# Altium PCB Cubli.PcbDoc (part 5 of 5)
Units mm, origin at the board's own origin, x right, y up, seen from the top; angles counter-clockwise.
Board outline 75.4 x 45.4 mm, 8 copper layers (Top Layer, GND 1, Signal 1, PWR 1, GND 2, Signal 2, PWR 2, Bottom Layer), stack 1.58 mm thick; 473 components, 286 nets, 1760 pads, 916 vias.
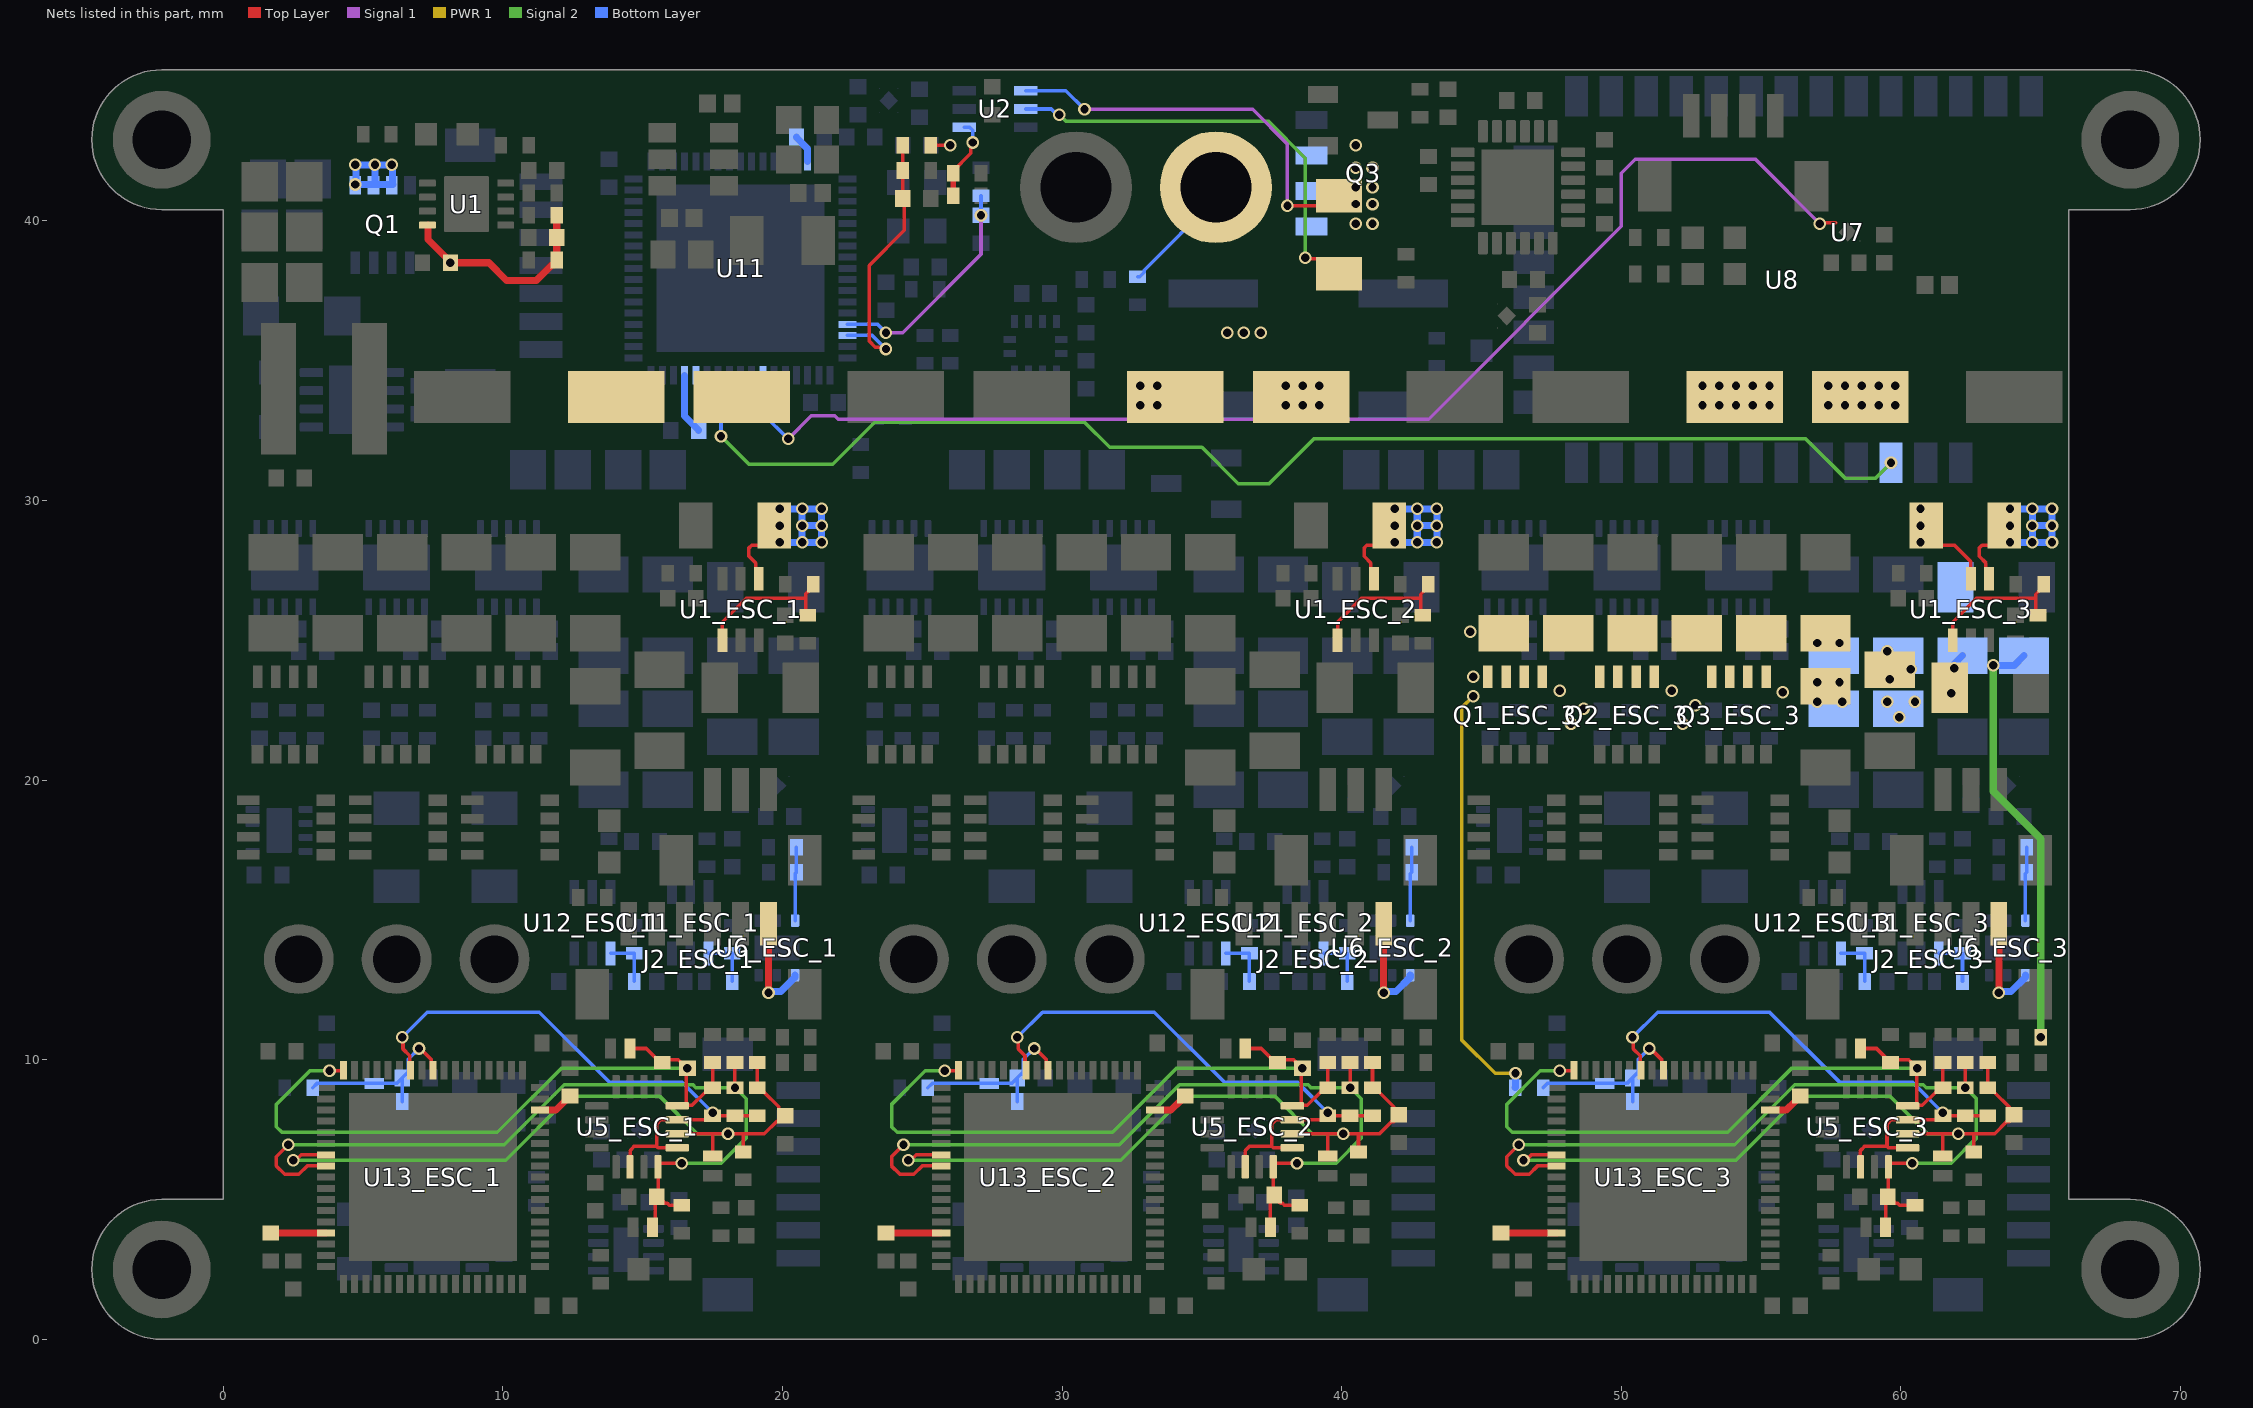
[diagram p11: the nets of this part, all layers, seen from the top]

## Via types
v1: diameter 0.45, hole 0.3, Top Layer to Bottom Layer, tented both sides, 853 vias
v2: diameter 0.4, hole 0.3, Top Layer to Bottom Layer, tented both sides, 63 vias

## Nets (pads, with @x,y where several pads share a name; then routed paths per layer and width w, separated by ;. In a path a pad name is that pad's centre, name@x,y a point inside that pad or via, vN(x,y) a via of type N, cw(c..) or ccw(c..) an arc to the next point about the centre after c; other vN are vias at no path point) (continued)
V_ESC_3: C3_ESC_3.2 C4_ESC_3.2 C5_ESC_3.2 C6_ESC_3.2 C7_ESC_3.2 C8_ESC_3.2 C9_ESC_3.2 C10_ESC_3.2 C13_ESC_3.2 C14_ESC_3.2 C15_ESC_3.2 C16_ESC_3.2 C17_ESC_3.2 C18_ESC_3.2 C19_ESC_3.2 C20_ESC_3.2 Q1_ESC_3.5 Q1_ESC_3.6 Q1_ESC_3.7 Q1_ESC_3.8 Q2_ESC_3.5 Q2_ESC_3.6 Q2_ESC_3.7 Q2_ESC_3.8 Q3_ESC_3.5 Q3_ESC_3.6 Q3_ESC_3.7 Q3_ESC_3.8 R1_ESC_3.2 R5_ESC_3.2 R37_ESC_3.2 U1_ESC_3.5 | length 34.1
  Top Layer w0.127: R1_ESC_3.2@60.9,29.1 60.9,28.937 61.436,28.4 61.915,28.4 62.5,27.815 U1_ESC_3.5@62.5,27.2
  Signal 2 w0.254: v1(63.3,24.1) 63.3,19.6 65,17.9 v1(65,10.8)
  PWR 1 w0.127: v1(44.7,23) 44.3,22.6 44.3,10.7 45.486,9.514 v1(46.215,9.514)
  Bottom Layer w0.254: R5_ESC_3.2@46.2,9 46.208,9.008 46.208,9.507 v1(46.215,9.514) ; v1(61.9,24) 61.9,24.15 C7_ESC_3.2@62.2,24.45 ; v1(63.3,24.1) 64.05,24.1 C10_ESC_3.2@64.4,24.45
  other v1: 48.2,22.016 52.2,22.016 59.944,22.244 48.648,22.55 52.648,22.671 57,22.8 57.9,22.8 59.515,22.8 60.5,22.8 61.8,23.1 55.765,23.143 47.8,23.2 51.8,23.2 57,23.5 57.8,23.5 59.6,23.6 44.7,23.7 60.356,23.956 59.515,24.6 57,24.9 57.8,24.9 44.6,25.3 60.7,28.5 60.7,29.1 60.7,29.7
V_ISNS_REF_1: R29_ESC_1.2 R31_ESC_1.1 U11_ESC_1.1 | length 1.8
  Bottom Layer w0.127: U11_ESC_1.1@17.35,13.8 R31_ESC_1.1@18.2,13.8 R29_ESC_1.2@18.2,12.8
V_ISNS_REF_2: R29_ESC_2.2 R31_ESC_2.1 U11_ESC_2.1 | length 1.8
  Bottom Layer w0.127: U11_ESC_2.1@39.35,13.8 R31_ESC_2.1@40.2,13.8 R29_ESC_2.2@40.2,12.8
V_ISNS_REF_3: R29_ESC_3.2 R31_ESC_3.1 U11_ESC_3.1 | length 1.8
  Bottom Layer w0.127: U11_ESC_3.1@61.35,13.8 R31_ESC_3.1@62.2,13.8 R29_ESC_3.2@62.2,12.8
VBAT: C1.2 C2.1 C32.1 C33.1 C34.1 C35.1 C36.1 C37.1 Q1.1 Q1.2 Q1.3 R1.1 R1_ESC_1.1 R1_ESC_2.1 R1_ESC_3.1 R2.2 R3.2 R23.1 U1.8 U1_ESC_1.4 U1_ESC_2.4 U1_ESC_3.4 U2.5 | length 53.2
  Top Layer w0.127: U1_ESC_1.4@19.15,27.2 19.039,27.311 19.039,27.761 18.8,28 18.8,28.3 18.9,28.4 19.163,28.4 19.7,28.937 R1_ESC_1.1@19.7,29.1 ; R23.1@25.3,42.7 v1(26,42.7) ; v1(38.7,38.684) 38.748,38.637 39.363,38.637 R2.2@39.9,38.1 ; U1_ESC_2.4@41.15,27.2 41.038,27.311 41.038,27.761 40.8,28 40.8,28.3 40.9,28.4 41.163,28.4 41.7,28.937 R1_ESC_2.1@41.7,29.1 ; U1_ESC_3.4@63.15,27.2 63.038,27.311 63.038,27.761 62.8,28 62.8,28.3 62.9,28.4 63.163,28.4 63.7,28.937 R1_ESC_3.1@63.7,29.1
  Top Layer w0.254: U1.8@7.323,39.848 7.323,39.327 8.125,38.525 v1(8.125,38.5) 9.5,38.5 10.132,37.868 11.193,37.868 11.752,38.427 11.827,38.427 11.925,38.525 C1.2@11.925,39.4 R3.2@11.925,40.2
  Signal 2 w0.127: v1(29.9,43.8) 29.905,43.8 30.136,43.569 37.369,43.569 38.7,42.238 v1(38.7,38.684)
  Bottom Layer w0.127: U2.5@28.7,44 29.613,44 29.813,43.8 v1(29.9,43.8)
  Bottom Layer w0.254: v1(4.725,41.3) Q1.2@5.425,41.3 ; Q1.1@4.75,41.325 4.75,41.975 v1(4.725,42) v1(5.425,42) ; 20.173,28.5 v1(20.7,28.5) ; 20.173,29.7 v1(20.7,29.7) ; 42.173,28.5 v1(42.7,28.5) ; 42.173,29.7 v1(42.7,29.7) ; 64.173,28.5 v1(64.7,28.5) ; 64.173,29.7 v1(64.7,29.7) ; Q1.2@5.425,41.3 v1(5.425,42) ; Q1.2@5.425,41.3 6.075,41.3 6.05,41.325 6.05,41.975 v1(6.025,42) v1(5.425,42) ; v1(20.7,28.5) v1(21.4,28.5) v1(21.4,29.1) ; v1(20.7,28.5) v1(20.7,29.1) ; v1(20.7,29.1) v1(21.4,29.1) ; v1(20.7,29.1) v1(20.7,29.7) ; v1(20.7,29.7) v1(21.4,29.7) v1(21.4,29.1) ; v1(42.7,28.5) v1(42.7,29.1) ; v1(42.7,28.5) v1(43.4,28.5) v1(43.4,29.1) ; v1(42.7,29.1) v1(43.4,29.1) ; v1(42.7,29.1) v1(42.7,29.7) ; v1(42.7,29.7) v1(43.4,29.7) v1(43.4,29.1) ; v1(64.7,28.5) v1(64.7,29.1) ; v1(64.7,28.5) v1(65.4,28.5) v1(65.4,29.1) ; v1(64.7,29.1) v1(65.4,29.1) ; v1(64.7,29.1) v1(64.7,29.7) ; v1(64.7,29.7) v1(65.4,29.7) v1(65.4,29.1)
  other v1: 19.9,28.5 41.9,28.5 63.9,28.5 19.9,29.1 41.9,29.1 63.9,29.1 19.9,29.7 41.9,29.7 63.9,29.7 32.8,33.4 33.4,33.4 38,33.4 38.6,33.4 39.2,33.4 52.9,33.4 53.5,33.4 54.1,33.4 54.7,33.4 55.3,33.4 57.4,33.4 58,33.4 58.6,33.4 59.2,33.4 59.8,33.4 32.8,34.1 33.4,34.1 38,34.1 38.6,34.1 39.2,34.1 52.9,34.1 53.5,34.1 54.1,34.1 54.7,34.1 55.3,34.1 57.4,34.1 58,34.1 58.6,34.1 59.2,34.1 59.8,34.1 35.9,36 36.5,36 37.1,36
VBAT_ISNS: C10.1 R6.1 U11.14 | length 8.2
  Signal 1 w0.127: v1(23.7,36) 24.3,36 27.1,38.8 v1(27.1,40.2)
  Bottom Layer w0.127: U11.14@22.325,36.3 23.4,36.3 v1(23.7,36) ; v1(27.1,40.2) R6.1@27.1,40.9
VBAT_ISNS_REF: R7.2 R8.1 U2.1 | length 3
  Top Layer w0.127: R7.2@26.1,41.7 26.1,41.775 26.738,42.413 26.738,42.738 v1(26.8,42.8)
  Top Layer w0.2: R8.1@26.1,40.9 R7.2@26.1,41.7
  Bottom Layer w0.127: U2.1@26.5,43.35 26.688,43.35 26.8,43.238 v1(26.8,42.8)
VBAT_ISNS_REF_1: R3_ESC_1.2 R4_ESC_1.1 U1_ESC_1.1 | length 5.2
  Top Layer w0.127: U1_ESC_1.1@17.85,25 17.85,25.65 18.7,26.5 20.826,26.5 ; R3_ESC_1.2@20.9,25.9 20.826,25.974 20.826,26.5 ; R4_ESC_1.1@21.1,27 21.1,26.925 20.826,26.651 20.826,26.5
VBAT_ISNS_REF_2: R3_ESC_2.2 R4_ESC_2.1 U1_ESC_2.1 | length 5.2
  Top Layer w0.127: U1_ESC_2.1@39.85,25 39.85,25.65 40.7,26.5 42.826,26.5 ; R3_ESC_2.2@42.9,25.9 42.826,25.974 42.826,26.5 ; R4_ESC_2.1@43.1,27 43.1,26.925 42.826,26.651 42.826,26.5
VBAT_ISNS_REF_3: R3_ESC_3.2 R4_ESC_3.1 U1_ESC_3.1 | length 5.2
  Top Layer w0.127: U1_ESC_3.1@61.85,25 61.85,25.65 62.7,26.5 64.826,26.5 ; R3_ESC_3.2@64.9,25.9 64.826,25.974 64.826,26.5 ; R4_ESC_3.1@65.1,27 65.1,26.925 64.826,26.651 64.826,26.5
VBAT_R: J_VIN1.1 Q3.1 Q3.2 Q3.3 R16.1 | length 4.4
  Bottom Layer w0.127: R16.1@32.7,38 32.775,38 32.937,38.162 32.937,38.236 35.5,40.8 J_VIN1.1@35.5,41.2
VBAT_RP: Q3.5 R2.1 U2.4 | length 14.3
  Top Layer w0.127: v1(38.058,40.536) 39.536,40.536 R2.1@39.9,40.9
  Signal 1 w0.127: v1(30.8,43.984) 36.816,43.984 38.058,42.742 v1(38.058,40.536)
  Bottom Layer w0.127: U2.4@28.7,44.65 30.134,44.65 v1(30.8,43.984)
  other v1: 40.5,39.9 41.1,39.9 40.5,40.6 41.1,40.6 40.5,41.2 41.1,41.2 40.5,41.9 41.1,41.9 40.5,42.7
VCAP1: C44.2 U11.31 | length 2.2
  Bottom Layer w0.254: U11.31@16.5,34.475 16.5,33.025 17,32.525 C44.2@17,32.5
VCAP1_1: C49_ESC_1.2 U13_ESC_1.31 | length 2
  Top Layer w0.254: C49_ESC_1.2@1.7,3.8 U13_ESC_1.31@3.675,3.8
VCAP1_2: C49_ESC_2.2 U13_ESC_2.31 | length 2
  Top Layer w0.254: C49_ESC_2.2@23.7,3.8 U13_ESC_2.31@25.675,3.8
VCAP1_3: C49_ESC_3.2 U13_ESC_3.31 | length 2
  Top Layer w0.254: C49_ESC_3.2@45.7,3.8 U13_ESC_3.31@47.675,3.8
VCAP2: C45.2 U11.66 | length 1
  Bottom Layer w0.254: C45.2@20.5,43 20.5,42.975 20.898,42.577 20.898,42.127 U11.66@20.9,42.125
VCAP2_1: C50_ESC_1.2 U13_ESC_1.66 | length 1.3
  Top Layer w0.254: U13_ESC_1.66@11.325,8.2 11.9,8.2 12.227,8.527 12.227,8.552 12.375,8.7 C50_ESC_1.2@12.4,8.7
VCAP2_2: C50_ESC_2.2 U13_ESC_2.66 | length 1.3
  Top Layer w0.254: U13_ESC_2.66@33.325,8.2 33.9,8.2 34.227,8.527 34.227,8.552 34.375,8.7 C50_ESC_2.2@34.4,8.7
VCAP2_3: C50_ESC_3.2 U13_ESC_3.66 | length 1.3
  Top Layer w0.254: U13_ESC_3.66@55.325,8.2 55.9,8.2 56.227,8.527 56.227,8.552 56.375,8.7 C50_ESC_3.2@56.4,8.7
VCC_ENC_1: J2_ESC_1.1 U6_ESC_1.1 | length 4.3
  Top Layer w0.127: J2_ESC_1.1@19.5,14.863 J2_ESC_1.1@19.5,15.4
  Top Layer w0.254: v1(19.5,12.4) J2_ESC_1.1@19.5,14.863
  Bottom Layer w0.254: v1(19.5,12.4) 19.538,12.438 19.938,12.438 20.45,12.95 U6_ESC_1.1@20.45,13.025
VCC_ENC_2: J2_ESC_2.1 U6_ESC_2.1 | length 4.3
  Top Layer w0.127: J2_ESC_2.1@41.5,14.863 J2_ESC_2.1@41.5,15.4
  Top Layer w0.254: v1(41.5,12.4) J2_ESC_2.1@41.5,14.863
  Bottom Layer w0.254: v1(41.5,12.4) 41.537,12.438 41.938,12.438 42.45,12.95 U6_ESC_2.1@42.45,13.025
VCC_ENC_3: J2_ESC_3.1 U6_ESC_3.1 | length 4.3
  Top Layer w0.127: J2_ESC_3.1@63.5,14.863 J2_ESC_3.1@63.5,15.4
  Top Layer w0.254: v1(63.5,12.4) J2_ESC_3.1@63.5,14.863
  Bottom Layer w0.254: v1(63.5,12.4) 63.537,12.438 63.937,12.438 64.45,12.95 U6_ESC_3.1@64.45,13.025
VCC_ENC_R_1: R7_ESC_1.1 R8_ESC_1.1 U6_ESC_1.6 | length 2.6
  Bottom Layer w0.127: U6_ESC_1.6@20.45,14.975 20.45,16.65 R7_ESC_1.1@20.5,16.7 R8_ESC_1.1@20.5,17.6
VCC_ENC_R_2: R7_ESC_2.1 R8_ESC_2.1 U6_ESC_2.6 | length 2.6
  Bottom Layer w0.127: U6_ESC_2.6@42.45,14.975 42.45,16.65 R7_ESC_2.1@42.5,16.7 R8_ESC_2.1@42.5,17.6
VCC_ENC_R_3: R7_ESC_3.1 R8_ESC_3.1 U6_ESC_3.6 | length 2.6
  Bottom Layer w0.127: U6_ESC_3.6@64.45,14.975 64.45,16.65 R7_ESC_3.1@64.5,16.7 R8_ESC_3.1@64.5,17.6
VSNS_ESC_1: C23_ESC_1.2 D1_ESC_1.2 R5_ESC_1.1 R6_ESC_1.1 U13_ESC_1.9 | length 6.5
  Top Layer w0.127: v1(7,10.4) 7.044,10.4 7.438,10.006 7.438,9.687 U13_ESC_1.9@7.5,9.625
  Bottom Layer w0.127: R5_ESC_1.1@3.2,9 3.35,9.15 D1_ESC_1.2@5.4,9.15 6.2,9.15 C23_ESC_1.2@6.4,9.35 ; R6_ESC_1.1@6.4,8.5 C23_ESC_1.2@6.4,9.35 ; v1(7,10.4) 6.611,10.011 6.611,9.562 C23_ESC_1.2@6.4,9.35
VSNS_ESC_2: C23_ESC_2.2 D1_ESC_2.2 R5_ESC_2.1 R6_ESC_2.1 U13_ESC_2.9 | length 6.5
  Top Layer w0.127: v1(29,10.4) 29.044,10.4 29.438,10.006 29.438,9.687 U13_ESC_2.9@29.5,9.625
  Bottom Layer w0.127: R5_ESC_2.1@25.2,9 25.35,9.15 D1_ESC_2.2@27.4,9.15 28.2,9.15 C23_ESC_2.2@28.4,9.35 ; R6_ESC_2.1@28.4,8.5 C23_ESC_2.2@28.4,9.35 ; v1(29,10.4) 28.611,10.011 28.611,9.562 C23_ESC_2.2@28.4,9.35
VSNS_ESC_3: C23_ESC_3.2 D1_ESC_3.2 R5_ESC_3.1 R6_ESC_3.1 U13_ESC_3.9 | length 6.5
  Top Layer w0.127: v1(51,10.4) 51.044,10.4 51.438,10.006 51.438,9.687 U13_ESC_3.9@51.5,9.625
  Bottom Layer w0.127: R5_ESC_3.1@47.2,9 47.35,9.15 D1_ESC_3.2@49.4,9.15 50.2,9.15 C23_ESC_3.2@50.4,9.35 ; R6_ESC_3.1@50.4,8.5 C23_ESC_3.2@50.4,9.35 ; v1(51,10.4) 50.611,10.011 50.611,9.562 C23_ESC_3.2@50.4,9.35
VSNS_U_1: C36_ESC_1.2 D4_ESC_1.2 R18_ESC_1.1 R19_ESC_1.2 R24_ESC_1.1 U5_ESC_1.6 U13_ESC_1.24 | length 26.1
  Top Layer w0.127: v1(2.5,6.4) 2.587,6.4 2.787,6.6 U13_ESC_1.24@3.675,6.6 ; U5_ESC_1.6@16.235,7.35 17.5,7.35 ; D4_ESC_1.2@17.5,6.55 17.5,7.35 ; R24_ESC_1.1@18.6,6.7 18.6,7.35 ; R19_ESC_1.2@19.1,9.9 R18_ESC_1.1@19.1,9 19.262,8.838 19.337,8.838 19.864,8.311 19.864,8.211 C36_ESC_1.2@20.038,8.037 ; C36_ESC_1.2@20,8 20,7.925 19.864,7.788 19.788,7.788 19.35,7.35 18.6,7.35 ; 17.5,7.35 v1(18.05,7.35) 18.6,7.35
  Signal 2 w0.127: v1(2.5,6.4) 10.1,6.4 12.4,8.7 15.6,8.7 16.95,7.35 v1(18.05,7.35)
VSNS_U_2: C36_ESC_2.2 D4_ESC_2.2 R18_ESC_2.1 R19_ESC_2.2 R24_ESC_2.1 U5_ESC_2.6 U13_ESC_2.24 | length 26.1
  Top Layer w0.127: v1(24.5,6.4) 24.587,6.4 24.787,6.6 U13_ESC_2.24@25.675,6.6 ; U5_ESC_2.6@38.235,7.35 39.5,7.35 ; D4_ESC_2.2@39.5,6.55 39.5,7.35 ; R24_ESC_2.1@40.6,6.7 40.6,7.35 ; R19_ESC_2.2@41.1,9.9 R18_ESC_2.1@41.1,9 41.261,8.838 41.336,8.838 41.863,8.311 41.863,8.211 C36_ESC_2.2@42.037,8.037 ; C36_ESC_2.2@42,8 42,7.925 41.863,7.788 41.788,7.788 41.35,7.35 40.6,7.35 ; 39.5,7.35 v1(40.05,7.35) 40.6,7.35
  Signal 2 w0.127: v1(24.5,6.4) 32.1,6.4 34.4,8.7 37.6,8.7 38.95,7.35 v1(40.05,7.35)
VSNS_U_3: C36_ESC_3.2 D4_ESC_3.2 R18_ESC_3.1 R19_ESC_3.2 R24_ESC_3.1 U5_ESC_3.6 U13_ESC_3.24 | length 26.1
  Top Layer w0.127: v1(46.5,6.4) 46.587,6.4 46.787,6.6 U13_ESC_3.24@47.675,6.6 ; U5_ESC_3.6@60.235,7.35 61.5,7.35 ; D4_ESC_3.2@61.5,6.55 61.5,7.35 ; R24_ESC_3.1@62.6,6.7 62.6,7.35 ; R19_ESC_3.2@63.1,9.9 R18_ESC_3.1@63.1,9 63.261,8.838 63.336,8.838 63.863,8.311 63.863,8.211 C36_ESC_3.2@64.037,8.037 ; C36_ESC_3.2@64,8 64,7.925 63.863,7.788 63.788,7.788 63.35,7.35 62.6,7.35 ; 61.5,7.35 v1(62.05,7.35) 62.6,7.35
  Signal 2 w0.127: v1(46.5,6.4) 54.1,6.4 56.4,8.7 59.6,8.7 60.95,7.35 v1(62.05,7.35)
VSNS_V_1: C39_ESC_1.2 D3_ESC_1.2 R20_ESC_1.1 R21_ESC_1.2 R25_ESC_1.1 U5_ESC_1.4 U13_ESC_1.25 | length 29.6
  Top Layer w0.127: v1(2.327,6.954) 1.9,6.527 1.9,6.2 2.2,5.9 2.7,5.9 3,6.2 U13_ESC_1.25@3.675,6.2 ; D3_ESC_1.2@15.35,4 15.45,4.1 15.45,5.05 C39_ESC_1.2@15.5,5.1 ; R25_ESC_1.1@16.4,4.8 15.95,4.8 15.887,4.864 15.811,4.864 15.625,5.05 15.55,5.05 C39_ESC_1.2@15.5,5.1 ; v1(16.4,6.3) 15.617,6.3 15.55,6.234 U5_ESC_1.4@15.55,6.165 15.55,5.15 C39_ESC_1.2@15.5,5.1 ; v1(18.3,9) R21_ESC_1.2@18.3,9.9
  Signal 2 w0.127: v1(2.327,6.954) 10.054,6.954 12.2,9.1 16.8,9.1 16.9,9 v1(18.3,9) 18.7,8.6 18.7,7.2 17.8,6.3 v1(16.4,6.3)
VSNS_V_2: C39_ESC_2.2 D3_ESC_2.2 R20_ESC_2.1 R21_ESC_2.2 R25_ESC_2.1 U5_ESC_2.4 U13_ESC_2.25 | length 29.6
  Top Layer w0.127: v1(24.327,6.954) 23.9,6.527 23.9,6.2 24.2,5.9 24.7,5.9 25,6.2 U13_ESC_2.25@25.675,6.2 ; D3_ESC_2.2@37.35,4 37.45,4.1 37.45,5.05 C39_ESC_2.2@37.5,5.1 ; R25_ESC_2.1@38.4,4.8 37.95,4.8 37.886,4.864 37.811,4.864 37.625,5.05 37.55,5.05 C39_ESC_2.2@37.5,5.1 ; v1(38.4,6.3) 37.616,6.3 37.55,6.234 U5_ESC_2.4@37.55,6.165 37.55,5.15 C39_ESC_2.2@37.5,5.1 ; v1(40.3,9) R21_ESC_2.2@40.3,9.9
  Signal 2 w0.127: v1(24.327,6.954) 32.054,6.954 34.2,9.1 38.8,9.1 38.9,9 v1(40.3,9) 40.7,8.6 40.7,7.2 39.8,6.3 v1(38.4,6.3)
VSNS_V_3: C39_ESC_3.2 D3_ESC_3.2 R20_ESC_3.1 R21_ESC_3.2 R25_ESC_3.1 U5_ESC_3.4 U13_ESC_3.25 | length 29.6
  Top Layer w0.127: v1(46.327,6.954) 45.9,6.527 45.9,6.2 46.2,5.9 46.7,5.9 47,6.2 U13_ESC_3.25@47.675,6.2 ; D3_ESC_3.2@59.35,4 59.45,4.1 59.45,5.05 C39_ESC_3.2@59.5,5.1 ; R25_ESC_3.1@60.4,4.8 59.95,4.8 59.886,4.864 59.811,4.864 59.625,5.05 59.55,5.05 C39_ESC_3.2@59.5,5.1 ; v1(60.4,6.3) 59.616,6.3 59.55,6.234 U5_ESC_3.4@59.55,6.165 59.55,5.15 C39_ESC_3.2@59.5,5.1 ; v1(62.3,9) R21_ESC_3.2@62.3,9.9
  Signal 2 w0.127: v1(46.327,6.954) 54.054,6.954 56.2,9.1 60.8,9.1 60.9,9 v1(62.3,9) 62.7,8.6 62.7,7.2 61.8,6.3 v1(60.4,6.3)
VSNS_VBAT: C56.1 R23.2 R24.1 U11.15 | length 9.8
  Top Layer w0.127: v1(23.7,35.416) 23.638,35.477 23.323,35.477 23.1,35.7 23.1,38.4 24.36,39.66 24.36,40.8 24.3,40.86 R24.1@24.3,41.8 R23.2@24.3,42.7
  Bottom Layer w0.127: U11.15@22.325,35.9 23.212,35.9 23.697,35.416 v1(23.7,35.416)
VSNS_W_1: C42_ESC_1.2 D2_ESC_1.2 R22_ESC_1.1 R23_ESC_1.2 R28_ESC_1.1 U5_ESC_1.8 U13_ESC_1.17 | length 25.9
  Top Layer w0.127: v1(3.8,9.6) 4.275,9.6 U13_ESC_1.17@4.3,9.625 ; D2_ESC_1.2@14.55,10.4 15.125,10.4 15.625,9.9 R28_ESC_1.1@15.7,9.9 15.8,10 16.275,10 16.575,9.7 C42_ESC_1.2@16.6,9.7 16.559,9.659 16.559,8.417 U5_ESC_1.8@16.508,8.366 ; U5_ESC_1.8@16.559,8.366 16.766,8.366 17.238,8.838 17.338,8.838 R22_ESC_1.1@17.5,9 R23_ESC_1.2@17.5,9.9 ; U5_ESC_1.8@16.508,8.366 16.251,8.366 U5_ESC_1.8@16.235,8.35 16.493,8.35 U5_ESC_1.8@16.508,8.366
  Signal 2 w0.127: v1(3.8,9.6) 3.1,9.6 1.9,8.4 1.9,7.6 2.1,7.4 9.8,7.4 12.1,9.7 v1(16.588,9.7)
VSNS_W_2: C42_ESC_2.2 D2_ESC_2.2 R22_ESC_2.1 R23_ESC_2.2 R28_ESC_2.1 U5_ESC_2.8 U13_ESC_2.17 | length 25.9
  Top Layer w0.127: v1(25.8,9.6) 26.275,9.6 U13_ESC_2.17@26.3,9.625 ; D2_ESC_2.2@36.55,10.4 37.125,10.4 37.625,9.9 R28_ESC_2.1@37.7,9.9 37.8,10 38.275,10 38.575,9.7 C42_ESC_2.2@38.6,9.7 38.559,9.659 38.559,8.417 U5_ESC_2.8@38.508,8.366 ; U5_ESC_2.8@38.559,8.366 38.766,8.366 39.238,8.838 39.338,8.838 R22_ESC_2.1@39.5,9 R23_ESC_2.2@39.5,9.9 ; U5_ESC_2.8@38.508,8.366 38.493,8.35 U5_ESC_2.8@38.235,8.35 38.251,8.366 U5_ESC_2.8@38.508,8.366
  Signal 2 w0.127: v1(25.8,9.6) 25.1,9.6 23.9,8.4 23.9,7.6 24.1,7.4 31.8,7.4 34.1,9.7 v1(38.587,9.7)
VSNS_W_3: C42_ESC_3.2 D2_ESC_3.2 R22_ESC_3.1 R23_ESC_3.2 R28_ESC_3.1 U5_ESC_3.8 U13_ESC_3.17 | length 25.9
  Top Layer w0.127: v1(47.8,9.6) 48.275,9.6 U13_ESC_3.17@48.3,9.625 ; D2_ESC_3.2@58.55,10.4 59.125,10.4 R28_ESC_3.1@59.625,9.9 59.7,9.9 59.8,10 60.275,10 60.575,9.7 C42_ESC_3.2@60.6,9.7 60.559,9.659 60.559,8.417 U5_ESC_3.8@60.508,8.366 ; U5_ESC_3.8@60.559,8.366 60.766,8.366 61.238,8.838 61.338,8.838 R22_ESC_3.1@61.5,9 R23_ESC_3.2@61.5,9.9 ; U5_ESC_3.8@60.508,8.366 60.492,8.35 U5_ESC_3.8@60.235,8.35 60.251,8.366 U5_ESC_3.8@60.508,8.366
  Signal 2 w0.127: v1(47.8,9.6) 47.1,9.6 45.9,8.4 45.9,7.6 46.1,7.4 53.8,7.4 56.1,9.7 v1(60.587,9.7)
VSNS_X_1: R18_ESC_1.2 R20_ESC_1.2 R22_ESC_1.2 U5_ESC_1.2 U5_ESC_1.5 U5_ESC_1.7 U13_ESC_1.11 | length 21.3
  Top Layer w0.127: v1(6.4,10.8) 6.428,10.772 6.428,10.385 6.672,10.141 6.672,9.653 U13_ESC_1.11@6.7,9.625 ; U5_ESC_1.2@14.55,6.165 14.55,6.75 14.7,6.9 ; 14.687,6.9 14.7,6.9 ; U5_ESC_1.5@16.235,6.85 15.55,6.85 15.5,6.9 ; v1(17.5,8.1) R22_ESC_1.2@17.5,8 ; R18_ESC_1.2@19.1,8 R20_ESC_1.2@18.3,8 R22_ESC_1.2@17.5,8 ; 14.7,6.9 15.5,6.9 ; 15.5,6.9 15.5,7.7 15.65,7.85 U5_ESC_1.7@16.235,7.85 17.35,7.85 R22_ESC_1.2@17.5,8
  Bottom Layer w0.127: v1(6.4,10.8) 7.3,11.7 11.3,11.7 13.8,9.2 16.4,9.2 v1(17.5,8.1)
VSNS_X_2: R18_ESC_2.2 R20_ESC_2.2 R22_ESC_2.2 U5_ESC_2.2 U5_ESC_2.5 U5_ESC_2.7 U13_ESC_2.11 | length 21.3
  Top Layer w0.127: v1(28.4,10.8) 28.428,10.772 28.428,10.385 28.672,10.141 28.672,9.653 U13_ESC_2.11@28.7,9.625 ; U5_ESC_2.2@36.55,6.165 36.55,6.75 36.7,6.9 ; 36.687,6.9 36.7,6.9 ; U5_ESC_2.5@38.235,6.85 37.55,6.85 37.5,6.9 ; v1(39.5,8.1) R22_ESC_2.2@39.5,8 ; R18_ESC_2.2@41.1,8 R20_ESC_2.2@40.3,8 R22_ESC_2.2@39.5,8 ; 36.7,6.9 37.5,6.9 ; 37.5,6.9 37.5,7.7 37.65,7.85 U5_ESC_2.7@38.235,7.85 39.35,7.85 R22_ESC_2.2@39.5,8
  Bottom Layer w0.127: v1(28.4,10.8) 29.3,11.7 33.3,11.7 35.8,9.2 38.4,9.2 v1(39.5,8.1)
VSNS_X_3: R18_ESC_3.2 R20_ESC_3.2 R22_ESC_3.2 U5_ESC_3.2 U5_ESC_3.5 U5_ESC_3.7 U13_ESC_3.11 | length 21.3
  Top Layer w0.127: v1(50.4,10.8) 50.428,10.772 50.428,10.385 50.672,10.141 50.672,9.653 U13_ESC_3.11@50.7,9.625 ; U5_ESC_3.2@58.55,6.165 58.55,6.75 58.7,6.9 ; 58.687,6.9 58.7,6.9 ; U5_ESC_3.5@60.235,6.85 59.55,6.85 59.5,6.9 ; v1(61.5,8.1) R22_ESC_3.2@61.5,8 ; R18_ESC_3.2@63.1,8 R20_ESC_3.2@62.3,8 R22_ESC_3.2@61.5,8 ; 58.7,6.9 59.5,6.9 ; 59.5,6.9 59.5,7.7 59.65,7.85 U5_ESC_3.7@60.235,7.85 61.35,7.85 R22_ESC_3.2@61.5,8
  Bottom Layer w0.127: v1(50.4,10.8) 51.3,11.7 55.3,11.7 57.8,9.2 60.4,9.2 v1(61.5,8.1)
W_ISNS_REF_1: R30_ESC_1.2 R32_ESC_1.1 U12_ESC_1.1 | length 1.8
  Bottom Layer w0.127: U12_ESC_1.1@13.85,13.8 R32_ESC_1.1@14.7,13.8 R30_ESC_1.2@14.7,12.8
W_ISNS_REF_2: R30_ESC_2.2 R32_ESC_2.1 U12_ESC_2.1 | length 1.8
  Bottom Layer w0.127: U12_ESC_2.1@35.85,13.8 R32_ESC_2.1@36.7,13.8 R30_ESC_2.2@36.7,12.8
W_ISNS_REF_3: R30_ESC_3.2 R32_ESC_3.1 U12_ESC_3.1 | length 1.8
  Bottom Layer w0.127: U12_ESC_3.1@57.85,13.8 R32_ESC_3.1@58.7,13.8 R30_ESC_3.2@58.7,12.8
XBEE_PWR_EN: U7.3 U11.24 | length 46.4
  Top Layer w0.127: v1(57.1,39.9) 57.125,39.925 U7.3@57.67,39.925
  Signal 1 w0.127: v1(20.2,32.2) 21.031,33.031 21.872,33.031 21.997,32.906 43.106,32.906 50,39.8 50,41.7 50.5,42.2 54.8,42.2 v1(57.1,39.9)
  Bottom Layer w0.127: U11.24@19.3,34.475 19.3,33.1 v1(20.2,32.2)
XBEE_TO_MCU: U8.3 U11.30 | length 47.8
  Signal 2 w0.127: v1(17.8,32.3) 18.8,31.3 21.8,31.3 23.3,32.8 30.8,32.8 31.7,31.9 35,31.9 36.3,30.6 37.4,30.6 39,32.2 56.6,32.2 58,30.8 59.096,30.8 v1(59.643,31.347)
  Bottom Layer w0.127: U11.30@16.9,34.475 16.9,33.75 17.8,32.85 v1(17.8,32.3)
pads on no net: J1.M J2_ESC_1.M J2_ESC_2.M J2_ESC_3.M J3_ESC_1.M J3_ESC_2.M J3_ESC_3.M J4_ESC_1.M J4_ESC_2.M J4_ESC_3.M J_I2C.M U3.7 U3.8 U4.2 U4.3 U4.4 U4.5 U4.6 U4.7 U4.14 U4.15 U4.16 U4.17 U4.19 U4.21 U4.22 U4_ESC_1.3 U4_ESC_2.3 U4_ESC_3.3 U5_ESC_1.3 U5_ESC_1.10 U5_ESC_1.13 U5_ESC_2.3 U5_ESC_2.10 U5_ESC_2.13 U5_ESC_3.3 U5_ESC_3.10 U5_ESC_3.13 U6_ESC_1.2 U6_ESC_1.3 U6_ESC_2.2 U6_ESC_2.3 U6_ESC_3.2 U6_ESC_3.3 U8.5 U8.6 U8.8 U8.9 U8.11 U8.13 U8.14 U8.15 U8.16 U8.17 U8.18 U8.19 U8.20 U8.22 U8.23 U8.24 U8.25 U8.26 U8.27 U8.28 U8.29 U8.30 U8.31 U8.33 U11.3 U11.4 U11.5 U11.8 U11.9 U11.10 U11.11 U11.20 U11.21 U11.25 U11.26 U11.27 U11.28 U11.34 U11.35 U11.38 U11.39 U11.40 U11.41 U11.42 U11.43 U11.44 U11.45 U11.46 U11.53 U11.54 U11.55 U11.56 U11.57 U11.58 U11.59 U11.64 U11.65 U13_ESC_1.6 U13_ESC_1.10 U13_ESC_1.14 U13_ESC_1.20 U13_ESC_1.28 U13_ESC_1.29 U13_ESC_1.30 U13_ESC_1.34 U13_ESC_1.38 U13_ESC_1.39 U13_ESC_1.42 U13_ESC_1.43 U13_ESC_1.55 U13_ESC_1.58 U13_ESC_1.59 U13_ESC_2.6 U13_ESC_2.10 U13_ESC_2.14 U13_ESC_2.20 U13_ESC_2.28 U13_ESC_2.29 U13_ESC_2.30 U13_ESC_2.34 U13_ESC_2.38 U13_ESC_2.39 U13_ESC_2.42 U13_ESC_2.43 U13_ESC_2.55 U13_ESC_2.58 U13_ESC_2.59 U13_ESC_3.6 U13_ESC_3.10 U13_ESC_3.14 U13_ESC_3.20 U13_ESC_3.28 U13_ESC_3.29 U13_ESC_3.30 U13_ESC_3.34 U13_ESC_3.38 U13_ESC_3.39 U13_ESC_3.42 U13_ESC_3.43 U13_ESC_3.55 U13_ESC_3.58 U13_ESC_3.59 Y1.1 Y1_ESC_1.1 Y1_ESC_2.1 Y1_ESC_3.1

## Polygon pours and split planes (outlines as drawn)
GND on Top Layer "PolygonDirect" (solid, pour order 176): -4.7,0 -4.7,45.4 70.7,45.4 70.7,0
VBAT_RP on Top Layer "PolygonDirect" (solid, pour order 100): 37.8,39.6 37.8,42.9 42.2,42.9 42.2,39.6
OUT_U_3 on Top Layer "PolygonDirect" (solid, pour order 108): 48.4,11.3 48.4,15.7 46.8,17.3 46.8,21.43 45.1,21.43 44,20.33 44,11.3
OUT_U_2 on Top Layer "PolygonDirect" (solid, pour order 96): 26.4,11.3 26.4,15.7 24.8,17.3 24.8,21.43 23.1,21.43 22,20.33 22,11.3
GND on Top Layer "PolygonDirect" (solid, pour order 131): 47,6.081 47.409,6.49 48.109,6.49 48.309,6.29 48.309,4.09 48.209,3.99 47,3.99
GND on Top Layer "PolygonDirect" (solid, pour order 134): 51,6.081 51.409,6.49 52.109,6.49 52.309,6.29 52.309,4.09 52.209,3.99 51,3.99
GND on Top Layer "PolygonDirect" (solid, pour order 137): 55,6.081 55.409,6.49 56.109,6.49 56.309,6.29 56.309,4.09 56.209,3.99 55,3.99
GND on Top Layer "PolygonDirect" (solid, pour order 118): 25,6.081 25.409,6.49 26.109,6.49 26.309,6.29 26.309,4.09 26.209,3.99 25,3.99
GND on Top Layer "PolygonDirect" (solid, pour order 133): 29,6.081 29.409,6.49 30.109,6.49 30.309,6.29 30.309,4.09 30.209,3.99 29,3.99
GND on Top Layer "PolygonDirect" (solid, pour order 136): 33,6.081 33.409,6.49 34.109,6.49 34.309,6.29 34.309,4.09 34.209,3.99 33,3.99
12V on Top Layer "PolygonDirect" (solid, pour order 99): 1.1,31.4 1.1,38.1 2.1,39.1 2.1,42.3 4.3,42.3 4.3,31.4
VBAT on Top Layer "PolygonDirect" (solid, pour order 103): 52.2,34.7 60.3,34.7 64.6,30.4 64.6,28.2 63.2,28.2 61.2,30.2 54.7,30.2 52.2,32.7
12VREG_LX on Top Layer "PolygonDirect" (solid, pour order 97): 4.2,31.4 4.2,40.2 5.7,41.7 7.7,41.7 7.7,40.6 7,40.6 6.5,40.1 6.5,31.4
GND on Top Layer "PolygonDirect" (solid, pour order 135): 11,6.081 11.409,6.49 12.109,6.49 12.309,6.29 12.309,4.09 12.209,3.99 11,3.99
GND on Top Layer "PolygonDirect" (solid, pour order 132): 7,6.081 7.409,6.49 8.109,6.49 8.309,6.29 8.309,4.09 8.209,3.99 7,3.99
GND on Top Layer "PolygonDirect" (solid, pour order 117): 3,6.081 3.409,6.49 4.109,6.49 4.309,6.29 4.309,4.09 4.209,3.99 3,3.99
SH_V_R_1 on Top Layer "PolygonDirect" (solid, pour order 115): 6.8,16.4 6.8,21.43 5.1,21.43 4.3,20.63 4.3,16.4
SH_W_R_1 on Top Layer "PolygonDirect" (solid, pour order 116): 10.8,16.4 10.8,21.43 9.1,21.43 8.3,20.63 8.3,16.4
OUT_U_1 on Top Layer "PolygonDirect" (solid, pour order 106): 4.4,11.3 4.4,15.7 2.8,17.3 2.8,21.43 1.1,21.43 0,20.33 0,11.3
VBAT on Top Layer "PolygonDirect" (solid, pour order 104): 12.3,34.7 20.4,34.7 20.4,30.5 20.6,30.3 20.6,28.2 19.1,28.2 17.1,30.2 14.7,30.2 12.3,32.6
V_ESC_1 on Top Layer "PolygonDirect" (solid, pour order 105): 0,26.1 14.3,26.1 15.6,24.8 17.9,24.8 18.6,24.1 18.6,22.4 17.9,21.7 0,21.7
V_ESC_1 on Top Layer "PolygonDirect" (solid, pour order 102): 14.8,30 17.6,30 17.6,28.2 14.8,28.2
GND on Top Layer "PolygonDirect" (solid, pour order 138): 26.298,8.465 26.707,8.874 27.407,8.874 27.607,8.674 27.607,6.474 27.507,6.374 26.298,6.374
GND on Top Layer "PolygonDirect" (solid, pour order 139): 30.298,8.465 30.707,8.874 31.407,8.874 31.607,8.674 31.607,6.474 31.507,6.374 30.298,6.374
V_ESC_2 on Top Layer "PolygonDirect" (solid, pour order 140): 36.8,30 39.6,30 39.6,28.2 36.8,28.2
V_ESC_2 on Top Layer "PolygonDirect" (solid, pour order 141): 22,26.1 36.3,26.1 37.6,24.8 39.9,24.8 40.6,24.1 40.6,22.4 39.9,21.7 22,21.7
SH_V_R_2 on Top Layer "PolygonDirect" (solid, pour order 144): 28.8,16.4 28.8,21.43 27.1,21.43 26.3,20.63 26.3,16.4
SH_W_R_2 on Top Layer "PolygonDirect" (solid, pour order 145): 32.8,16.4 32.8,21.43 31.1,21.43 30.3,20.63 30.3,16.4
V_ESC_3 on Top Layer "PolygonDirect" (solid, pour order 146): 58.8,30 61.6,30 61.6,28.2 58.8,28.2
V_ESC_3 on Top Layer "PolygonDirect" (solid, pour order 147): 44,26.1 58.3,26.1 59.6,24.8 61.9,24.8 62.6,24.1 62.6,22.4 61.9,21.7 44,21.7
SH_V_R_3 on Top Layer "PolygonDirect" (solid, pour order 166): 50.8,16.4 50.8,21.43 49.1,21.43 48.3,20.63 48.3,16.4
SH_W_R_3 on Top Layer "PolygonDirect" (solid, pour order 175): 54.8,16.4 54.8,21.43 53.1,21.43 52.3,20.63 52.3,16.4
VBAT on Top Layer "PolygonDirect" (solid, pour order 101): 32.2,32.6 34.6,30.2 39.2,30.2 41.2,28.2 42.6,28.2 42.6,32.4 42.3,32.7 42.3,37.6 40.4,39.5 36.6,39.5 32.169,35.069 32.169,32.6
OUT_V_2 on Bottom Layer "PolygonDirect" (solid, pour order 120): 26.5,11 26.5,17 29.9,17 29.9,11
OUT_W_2 on Bottom Layer "PolygonDirect" (solid, pour order 129): 30,11 30,17 33.4,17 33.4,11
OUT_W_3 on Bottom Layer "PolygonDirect" (solid, pour order 130): 52,11 52,17 55.4,17 55.4,11
GND on Bottom Layer "PolygonDirect" (solid, pour order 167): -4.7,0 -4.7,45.4 70.7,45.4 70.7,0
OUT_V_3 on Bottom Layer "PolygonDirect" (solid, pour order 121): 48.5,11 48.5,17 51.9,17 51.9,11
OUT_V_1 on Bottom Layer "PolygonDirect" (solid, pour order 119): 4.5,11 4.5,17 7.9,17 7.9,11
OUT_W_1 on Bottom Layer "PolygonDirect" (solid, pour order 128): 8,11 8,17 11.4,17 11.4,11
VBAT_R on Bottom Layer "PolygonDirect" (solid, pour order 98): 33,45.4 40,45.4 40,38.3 33,38.3
V_ESC_1 on Bottom Layer "PolygonDirect" (solid, pour order 162): 12.477,25.323 14.8,25.323 14.8,30 16.823,30 18.8,28.023 18.8,25.323 21.5,25.323 21.5,23.6 18.877,23.6 17,21.723 12.477,21.723
V_ESC_2 on Bottom Layer "PolygonDirect" (solid, pour order 163): 34.477,25.323 36.8,25.323 36.8,30 38.823,30 40.8,28.023 40.8,25.323 43.5,25.323 43.5,23.6 40.877,23.6 39,21.723 34.477,21.723
V_ESC_3 on Bottom Layer "PolygonDirect" (solid, pour order 165): 56.477,25.323 58.8,25.323 58.8,30 60.823,30 62.8,28.023 62.8,25.323 65.5,25.323 65.5,23.6 62.877,23.6 61,21.723 56.477,21.723
VBAT_RP on Bottom Layer "PolygonDirect" (solid, pour order 109): 37.8,38.3 37.8,42.45 41.4,42.45 41.4,40.5 39.2,38.3
VBAT on PWR 1 "PolygonDirect" (solid, pour order 174): 0,0 0,45.4 66,45.4 66,0
OUT_U_2 on PWR 1 "PolygonDirect" (solid, pour order 158): 48.4,10.9 48.4,15.7 46.8,17.3 46.8,21.43 45.1,21.43 44,20.33 44,10.9
V_ESC_3 on PWR 1 "PolygonDirect" (solid, pour order 114): 44,21.5 44,30.2 61.2,30.2 61.2,21.5
V_ESC_2 on PWR 1 "PolygonDirect" (solid, pour order 112): 22,21.5 22,30.2 39.2,30.2 39.2,21.5
V_ESC_1 on PWR 1 "PolygonDirect" (solid, pour order 110): 0,21.5 0,30.2 17.2,30.2 17.2,21.5
OUT_U_1 on PWR 1 "PolygonDirect" (solid, pour order 151): 4.4,10.9 4.4,15.7 2.8,17.3 2.8,21.43 1.1,21.43 0,20.33 0,10.9
OUT_V_1 on PWR 1 "PolygonDirect" (solid, pour order 125): 4.5,11 4.5,17 7.9,17 7.9,11
OUT_W_1 on PWR 1 "PolygonDirect" (solid, pour order 148): 8,11 8,17 11.4,17 11.4,11
OUT_V_2 on PWR 1 "PolygonDirect" (solid, pour order 155): 26.5,11 26.5,17 29.9,17 29.9,11
OUT_W_2 on PWR 1 "PolygonDirect" (solid, pour order 156): 30,11 30,17 33.4,17 33.4,11
OUT_U_2 on PWR 1 "PolygonDirect" (solid, pour order 157): 26.4,10.9 26.4,15.7 24.8,17.3 24.8,21.43 23.1,21.43 22,20.33 22,10.9
OUT_V_3 on PWR 1 "PolygonDirect" (solid, pour order 161): 48.5,11 48.5,17 51.9,17 51.9,11
OUT_W_3 on PWR 1 "PolygonDirect" (solid, pour order 168): 52,11 52,17 55.4,17 55.4,11
OUT_U_3 on PWR 1 "PolygonDirect" (solid, pour order 169): 48.4,10.9 48.4,15.7 46.8,17.3 46.8,21.43 45.1,21.43 44,20.33 44,10.9
5V on PWR 2 "PolygonDirect" (solid, pour order 124): 0,0 0,20.8 0,45.4 66,45.4 66,0
12V on PWR 2 "PolygonDirect" (solid, pour order 123): 0,25.5 0,45.4 13.6,45.4 13.6,32 56.7,32 56.7,25.5
V_ESC_1 on Signal 1 "PolygonDirect" (solid, pour order 122): 10.8,21.5 10.8,30.2 17.2,30.2 17.2,21.5
V_ESC_3 on Signal 1 "PolygonDirect" (solid, pour order 160): 54.8,21.5 54.8,30.2 61.2,30.2 61.2,21.5
V_ESC_2 on Signal 1 "PolygonDirect" (solid, pour order 154): 32.8,21.5 32.8,30.2 39.2,30.2 39.2,21.5
VBAT on Signal 2 "PolygonDirect" (solid, pour order 173): 0,27.8 0,45.4 66,45.4 66,27.8
V_ESC_1 on Signal 2 "PolygonDirect" (solid, pour order 170): 3.4,21.5 3.4,30.2 17.2,30.2 19.7,27.7 19.7,21.5
V_ESC_2 on Signal 2 "PolygonDirect" (solid, pour order 171): 22,21.5 22,30.2 39.2,30.2 41.7,27.7 41.7,21.5
V_ESC_3 on Signal 2 "PolygonDirect" (solid, pour order 172): 44,21.5 44,30.2 61.2,30.2 63.7,27.7 63.7,21.5
GND on GND 1 "PolygonDirect" (solid, pour order 111): -4.7,0 -4.7,45.4 70.7,45.4 70.7,0
GND on GND 2 "PolygonDirect" (solid, pour order 113): -4.7,0 -4.7,45.4 70.7,45.4 70.7,0

## Other copper
Top Layer:
  pour cut-out: 37.7,40.2 39.5,40.2 39.5,40.9 37.7,40.9
  pour cut-out: 38.342,38.349 39.363,38.349 39.363,39 38.342,39
Signal 2:
  pour cut-out: 29.55,43.466 30.256,43.466 30.256,44.115 29.55,44.115
  pour cut-out: 38.35,38.35 39.056,38.35 39.056,39 38.35,39
PWR 1:
  pour cut-out: 29.55,43.466 30.256,43.466 30.256,44.115 29.55,44.115
  pour cut-out: 38.35,38.35 39.056,38.35 39.056,39 38.35,39

## Silkscreen, mask and mechanical layers (free items; w line width, h text height)
Top Overlay:
  circle w0.4: c64.3,2.3 r0.17
  circle w0.3: c64.3,2.3 r1.4
  lines w0.254: 0.3,30.2 65.7,30.2 ; 21.8,0.3 21.8,30.2 ; 43.8,0.3 43.8,30.2 43.8,0.3
  lines w0.3: 17.8,2 21.1,2 ; 41.8,0.7 41.8,4 ; 19.471,3.487 ccw(c22.15,2.05) 19.498,0.562 ccw(c16.9,2) 19.471,3.487 ; 40.362,2.302 ccw(c41.8,4.9) 43.287,2.329 ccw(c41.85,-0.35) 40.362,2.302
  text "I2C" at 58,41.4 h1
Bottom Overlay:
  lines w0.254: 0.3,30.2 32.7,30.2 ; 21.8,0.3 21.8,30.2 ; 36.7,30.2 65.7,30.2 ; 43.8,0.3 43.8,30.2 43.8,0.3
Board Outline:
  lines w0.2: -4.7,2.5 cw(c-2.2,2.5) -2.2,5 0,5 0,40.4 -2.2,40.4 cw(c-2.2,42.9) -4.7,42.9 cw(c-2.2,42.9) -2.2,45.4 0,45.4 66,45.4 68.2,45.4 cw(c68.2,42.9) 70.7,42.9 cw(c68.2,42.9) 68.2,40.4 66,40.4 66,5 68.2,5 cw(c68.2,2.5) 70.7,2.5 cw(c68.2,2.5) 68.2,0 66,0 0,0 -2.2,0 cw(c-2.2,2.5) -4.7,2.5

## Dimensions
-2.2,2.5 to 68.2,2.5 on Dimensions
68.2,42.9 to 68.2,2.5 on Dimensions
0,45.4 to 66,45.4 on Dimensions
0,0 to 0,45.4 on Dimensions